# Altium PCB Backend.PcbDoc (part 3 of 3)
Units mm, origin at the board's own origin, x right, y up, seen from the top; angles counter-clockwise.
Board outline 100 x 80 mm, 6 copper layers (Top Layer [SIG], Mid Layer 1 [GND], Mid Layer 2 [SIG], Mid Layer 3 [PWR], Mid Layer 4 [GND], Bottom Layer [SIG]), stack 1.597 mm thick; 244 components, 196 nets, 1054 pads, 765 vias.
Unrouted connection lines stored in the file: 1.
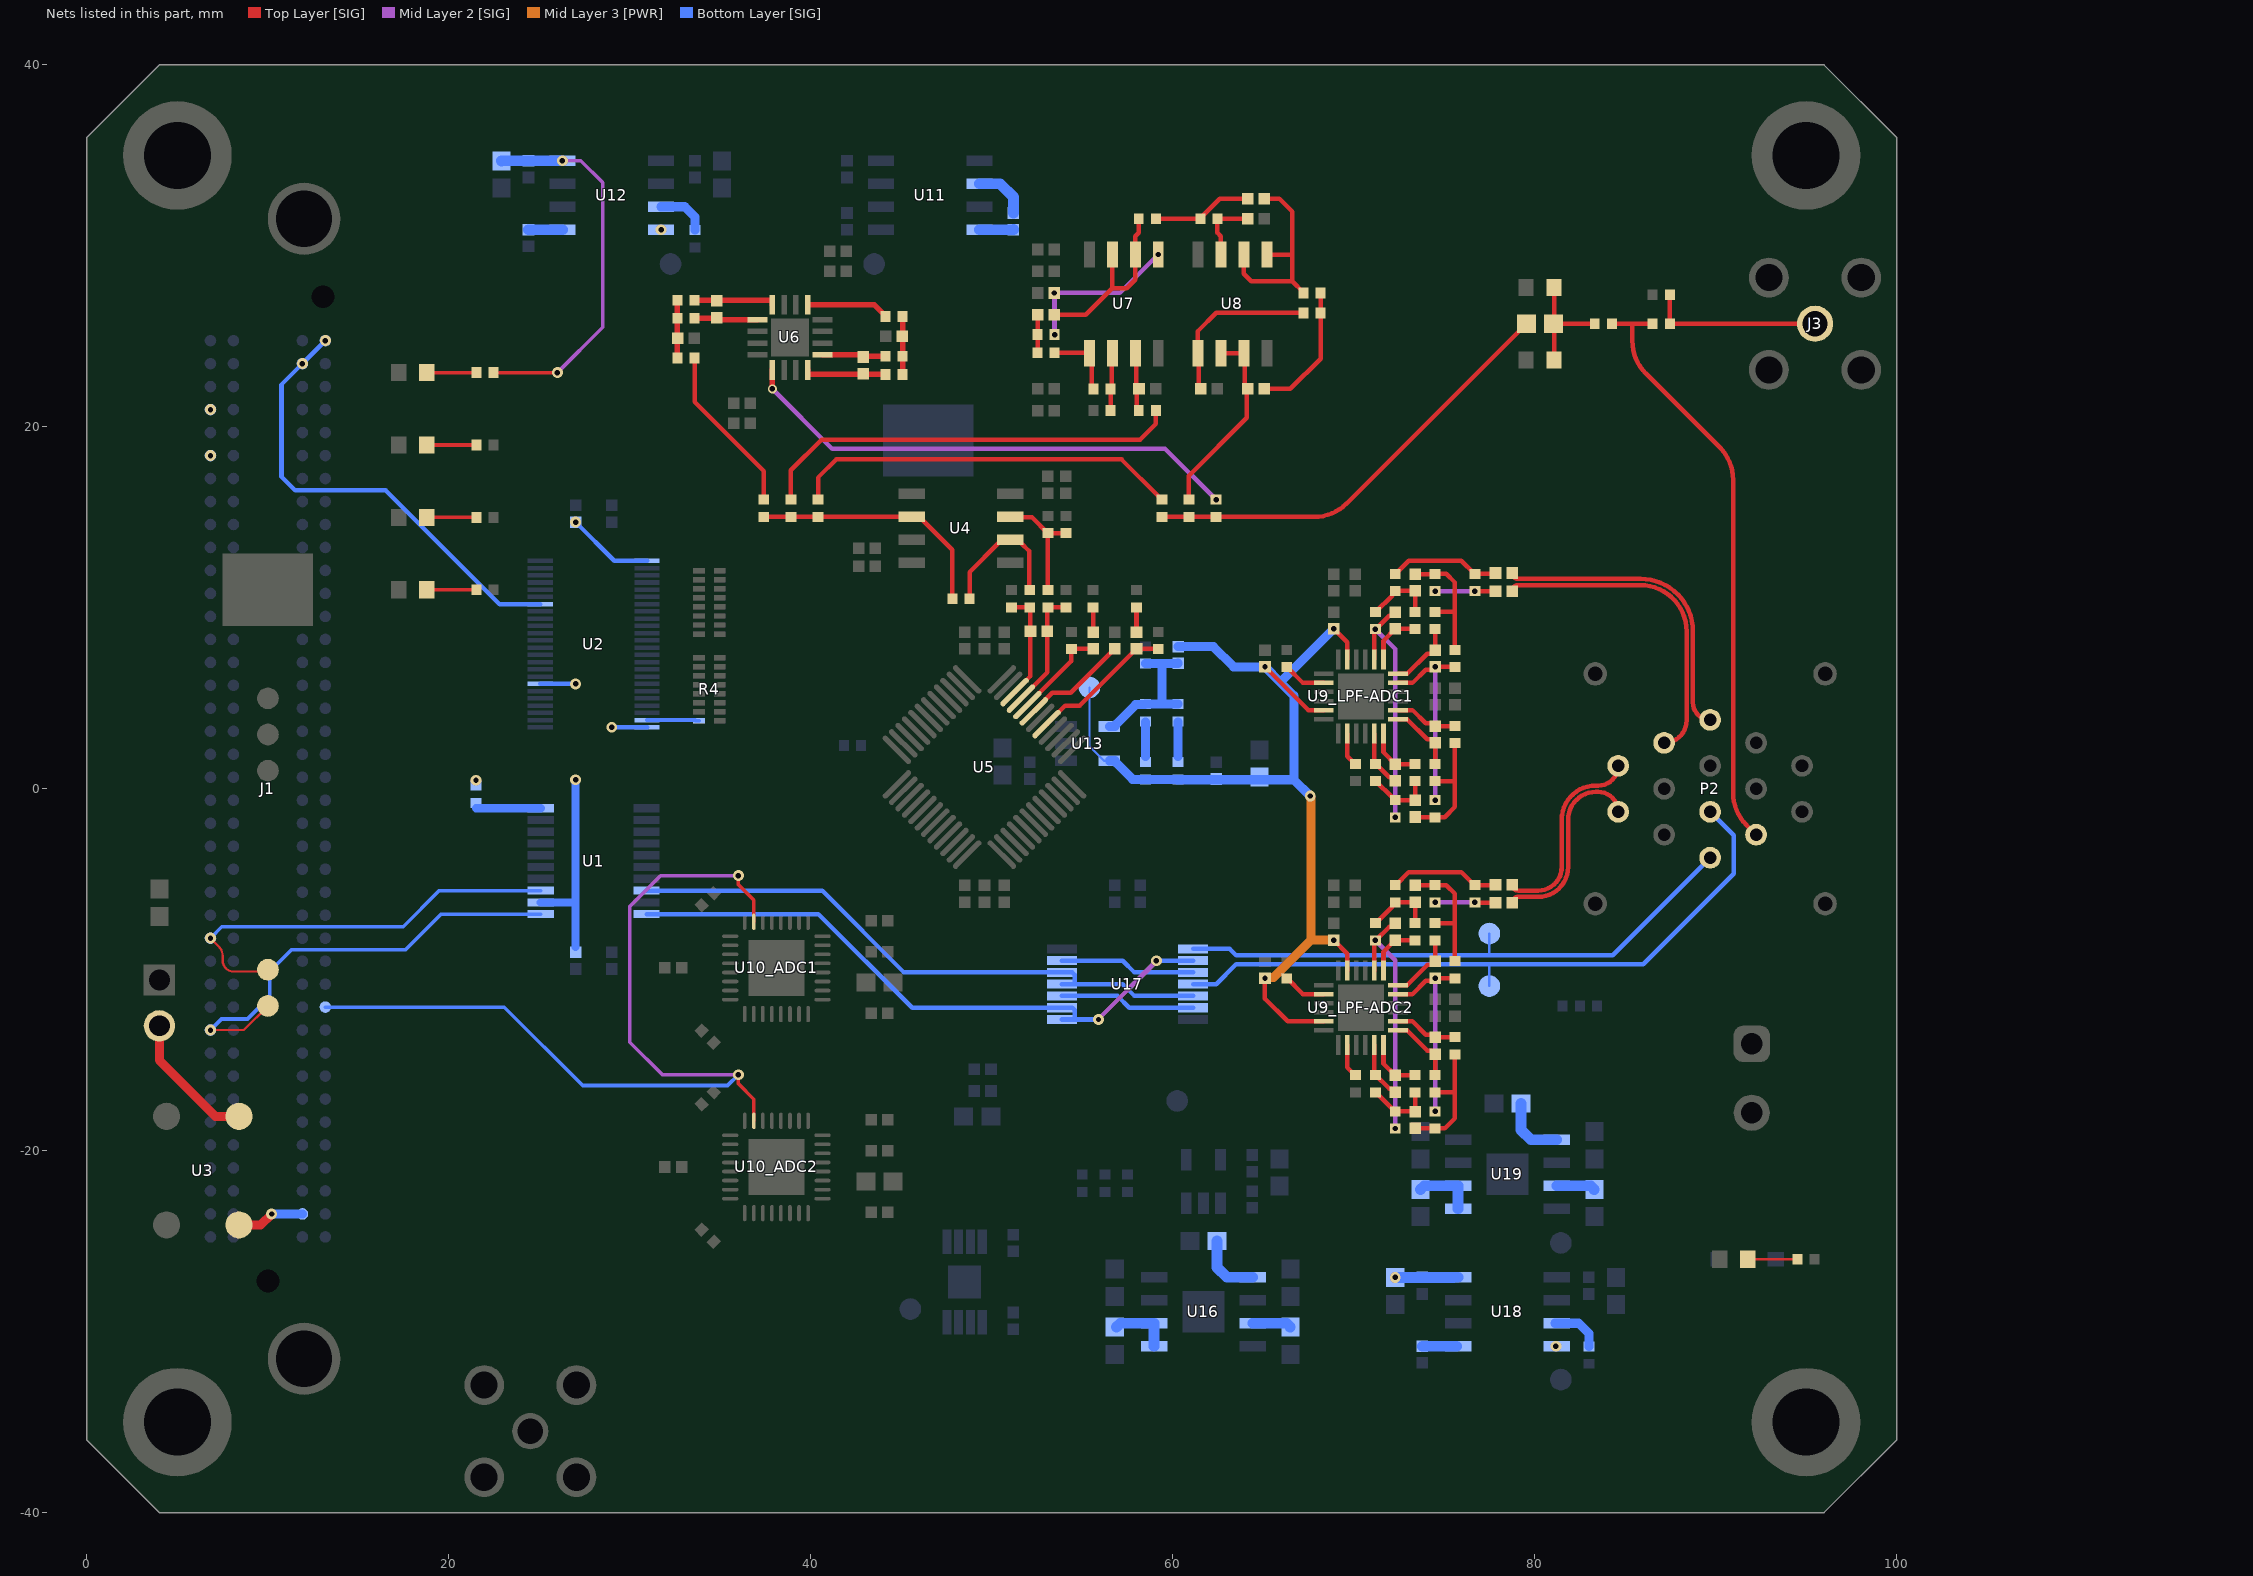
[diagram p7: the nets of this part, all layers, seen from the top]

## Via types
v1: diameter 0.6, hole 0.3, Top Layer [SIG] to Bottom Layer [SIG], tented both sides, 468 vias
v2: diameter 0.5, hole 0.3, Top Layer [SIG] to Bottom Layer [SIG], tented both sides, 179 vias
v3: diameter 0.45, hole 0.3, Top Layer [SIG] to Bottom Layer [SIG], tented both sides, 44 vias
v4: diameter 0.8, hole 0.4, Top Layer [SIG] to Bottom Layer [SIG], tented both sides, 32 vias
v5: diameter 0.6, hole 0.3, Top Layer [SIG] to Bottom Layer [SIG], tented bottom, 30 vias
v6: diameter 0.6, hole 0.3, Top Layer [SIG] to Bottom Layer [SIG], tented top, 12 vias

## Nets (pads, with @x,y where several pads share a name; then routed paths per layer and width w, separated by ;. In a path a pad name is that pad's centre, name@x,y a point inside that pad or via, vN(x,y) a via of type N, cw(c..) or ccw(c..) an arc to the next point about the centre after c; other vN are vias at no path point) (continued)
EN3: J1.H11 U10_ADC1.7 U10_ADC2.7 | length 51.6
  Top Layer [SIG] w0.2: v1(36,-15.8) 36,-16.3 36.85,-17.15 U10_ADC2.7@36.85,-18.35 ; v1(36,-4.8) 36,-5.3 36.85,-6.15 U10_ADC1.7@36.85,-7.35
  Mid Layer 2 [SIG] w0.2: v1(36,-15.8) 31.8,-15.8 30,-14 30,-6.5 31.7,-4.8 v1(36,-4.8)
  Bottom Layer [SIG] w0.2: J1.H11@13.175,-12.065 23.065,-12.065 27.4,-16.4 35.4,-16.4 v1(36,-15.8)
FMC12V: C64.1 C65.1 C87.1 C88.1 J1.C35 J1.C37 R70.2 U12.4 U12.8 U18.4 U18.8 | length 24.3
  Top Layer [SIG] w0.2: 22.775,23 v1(26,23)
  Mid Layer 2 [SIG] w0.2: v1(26,23) 28.5,25.5 28.5,33.5 27.295,34.705 v1(26.275,34.705)
  Bottom Layer [SIG] w0.6: C64.1@22.9,34.7 22.905,34.705 v1(26.275,34.705) ; v1(72.3,-27) C88.1@73.795,-27 ; C88.1@73.8,-27 75.517,-27 75.517,-26.995 U18.4@75.775,-26.995
  other v1: 81.175,-30.805 6.825,18.415 6.825,20.955 31.725,30.895
FMC_VADJ: C1.1 C3.1 J1.G39 J1.H40 R1.2 U1.2 U2.1 U2.24 U2.31 U2.42 | length 45.7
  Bottom Layer [SIG] w0.25: v1(13.175,24.765) 10.75,22.34 10.75,17.25 11.5,16.5 16.5,16.5 22.8,10.2 U2.42@25.05,10.2 ; U2.31@25.05,5.8 v1(27,5.8) ; v1(27,14.74) 29.14,12.6 U2.1@30.95,12.6 ; v1(29,3.4) U2.24@30.95,3.4
  Bottom Layer [SIG] w0.45: U1.2@25.075,-6.275 27,-6.275 ; C1.1@27,-8.75 27,-6.275 ; v1(27,0.5) 27,-6.275
  other v1: 21.5,0.475 11.905,23.495
FREF: P2.4 R38.1 R39.1 | length 32.4
  Top Layer [SIG] w0.25: 84.575,25.7 85.4,25.7 ; 86.225,25.7 85.4,25.7 ; P2.4@92.24,-2.54 91.713,-2.013 cw(c93.509,-0.216) 90.969,-0.216 90.969,17.079 ccw(c88.429,17.079) 90.225,18.875 86.144,22.956 cw(c87.94,24.752) 85.4,24.752 85.4,25.7
fref_in: C39.2 R18.1 R20.1 R22.2 | length 24.5
  Top Layer [SIG] w0.25: R20.1@59.4,15.025 R18.1@60.9,15.025 R22.2@62.4,15.025 67.823,15.025 ccw(c67.823,17.565) 69.619,15.769 C39.2@79.55,25.7
fref_out: C39.1 R38.2 R41.1 R42.2 | length 5.9
  Top Layer [SIG] w0.25: R42.2@81.075,23.7 R41.1@81.075,27.7 ; C39.1@81.1,25.7 83.025,25.7
I_N: C40_LPF-ADC2.1 P2.10 | length 11.1
  Top Layer [SIG] w0.25: C40_LPF-ADC2.1@78.76,-5.3 ccw(c79.084,-5.3) 79.084,-5.624 80.2,-5.624 ccw(c80.2,-4.324) 81.5,-4.324 81.5,-1.7 cw(c83.377,-1.7) 83.377,0.177 83.527,0.177 ccw(c83.527,1.27) P2.10@84.62,1.27
I_P: C45_LPF-ADC2.1 P2.1 | length 11.1
  Top Layer [SIG] w0.25: C45_LPF-ADC2.1@78.76,-6.3 cw(c79.084,-6.3) 79.084,-5.976 80.2,-5.976 ccw(c80.2,-4.324) 81.852,-4.324 81.852,-1.7 cw(c83.377,-1.7) 83.377,-0.175 83.525,-0.175 cw(c83.525,-1.27) P2.1@84.62,-1.27
NetC6_1: C6.1 R5.2 R8.2 U5.46 | length 6.1
  Top Layer [SIG] w0.25: R8.2@51.1,10.025 R5.2@52.1,10.025 52.12,10.005 52.12,8.72 C6.1@52.14,8.7 52.14,6.228 51.262,5.35 U5.46@51.262,5.337
NetC6_2: C6.2 R6.2 R7.2 U5.45 | length 6.7
  Top Layer [SIG] w0.25: U5.45@51.615,4.983 53.06,6.428 C6.2@53.06,8.7 53.08,8.72 53.08,10.005 R6.2@53.1,10.025 R7.2@54.1,10.025
NetC11_1: C11.1 R13.2 U5.41 | length 7.9
  Top Layer [SIG] w0.25: U5.41@53.029,3.569 54.061,4.6 54.86,4.6 C11.1@58,7.74 58.008,7.732 59.192,7.732 R13.2@59.2,7.725
NetC11_2: C11.2 R14.2 | length 1.4
  Top Layer [SIG] w0.25: C11.2@58,8.66 R14.2@58,10.025
NetC12_1: C12.1 R15.2 U5.44 | length 5.5
  Top Layer [SIG] w0.25: U5.44@51.969,4.629 54.4,7.061 R15.2@54.4,7.575 ; R15.2@54.4,7.725 R15.2@54.4,7.575 ; C12.1@55.6,7.74 54.575,7.74 54.575,7.575 R15.2@54.4,7.575
NetC12_2: C12.2 R16.2 | length 1.4
  Top Layer [SIG] w0.25: C12.2@55.6,8.66 R16.2@55.6,10.025
NetC13_1: C13.1 U5.43 | length 5.9
  Top Layer [SIG] w0.25: U5.43@52.322,4.276 53.346,5.3 54.36,5.3 C13.1@56.8,7.74
NetC20_1: C20.1 R23.2 U6.16 | length 4.8
  Top Layer [SIG] w0.3: R23.2@33.575,27 34.8,27 37.85,27 37.875,26.975 U6.16@37.875,26.925 ; U6.16@37.875,26.925 37.85,26.95 U6.16@37.875,26.925 ; U6.16@37.875,26.925 U6.16@37.875,26.75 U6.16@37.875,26.925
NetC20_2: C20.2 R26.2 U6.1 | length 3.5
  Top Layer [SIG] w0.3: R26.2@33.575,26 34.76,26 C20.2@34.8,26.04 34.915,25.925 U6.1@37.05,25.925
NetC21_1: C21.1 R24.2 U6.8 | length 4.6
  Top Layer [SIG] w0.3: U6.8@39.825,23.15 U6.8@39.825,22.975 ; U6.8@39.85,22.95 U6.8@39.825,22.975 ; R24.2@44.125,22.9 39.85,22.9 39.825,22.925 U6.8@39.825,22.975
NetC21_2: C21.2 R28.2 U6.9 | length 3.5
  Top Layer [SIG] w0.3: U6.9@40.65,23.975 42.785,23.975 C21.2@42.9,23.86 42.94,23.9 R28.2@44.125,23.9
NetC22_1: C22.1 R23.1 R25.2 R26.1 | length 3.2
  Top Layer [SIG] w0.3: R25.2@32.625,23.8 R26.1@32.625,26 R23.1@32.625,27
NetC23_1: C23.1 R24.1 R27.2 R28.1 | length 3.2
  Top Layer [SIG] w0.3: R24.1@45.075,22.9 R28.1@45.075,23.9 R27.2@45.075,26.1
NetC28_1: C28.1 R30.2 R31.1 | length 2.1
  Top Layer [SIG] w0.25: R30.2@52.525,24.1 52.533,24.108 52.533,26.193 C28.1@52.54,26.2
NetC28_2: C28.2 R32.1 U7.6 U7.7 | length 10.6
  Top Layer [SIG] w0.25: C28.2@53.46,26.2 55.2,26.2 56.665,27.665 ; U7.7@56.665,29.525 56.665,27.665 ; R32.1@58.125,31.5 58.125,30.733 57.935,30.543 57.935,28.135 57.465,27.665 56.665,27.665
NetC29_1: C29.1 R32.2 R33.1 | length 5.5
  Top Layer [SIG] w0.25: R32.2@59.075,31.5 R33.1@61.525,31.5 61.525,31.525 62.6,32.6 C29.1@64.14,32.6
NetC29_2: C29.2 R34.1 U8.1 U8.2 | length 12
  Top Layer [SIG] w0.25: U8.2@63.935,29.525 63.935,28.465 64.35,28.05 66.6,28.05 ; C29.2@65.133,32.528 C29.2@65.06,32.6 65.9,32.6 66.6,31.9 66.6,29.52 ; U8.1@65.205,29.525 65.21,29.52 66.6,29.52 ; R34.1@67.225,27.4 67.225,27.425 66.6,28.05 ; 66.6,28.05 66.6,29.52
NetC30_1: C30.1 R34.2 R35.1 | length 7.4
  Top Layer [SIG] w0.25: C30.1@65.06,22.1 66.502,22.1 68.175,23.773 R34.2@68.175,27.4
NetC30_2: C30.2 R18.2 U8.6 U8.7 | length 10.8
  Top Layer [SIG] w0.25: R18.2@60.9,15.975 60.9,17.3 64.1,20.5 C30.2@64.1,22.1 ; U8.6@62.665,24.075 U8.7@63.935,24.075 63.98,24.03 63.98,22.26 C30.2@64.14,22.1
NetC31_1: C31.1 R29.2 U7.3 | length 3.1
  Top Layer [SIG] w0.25: C31.1@57.98,22.145 U7.3@57.98,24.03 ; R29.2@58.025,20.9 C31.1@58.025,22.1
NetC32_1: C32.1 R31.2 U7.5 | length 11.2
  Mid Layer 2 [SIG] w0.25: v1(53.46,27.4) 53.468,27.393 53.468,25.108 v2(53.475,25.1) 53.475,27.4 57.08,27.4 v1(59.205,29.525)
NetC33_1: C33.1 R33.2 U8.3 | length 3.7
  Top Layer [SIG] w0.25: U8.3@62.665,29.525 62.665,30.543 62.475,30.733 R33.2@62.475,31.5 C33.1@64.14,31.5
NetC34_1: C34.1 R35.2 U8.5 | length 9.4
  Top Layer [SIG] w0.25: U8.5@61.395,24.075 61.395,25.295 62.4,26.3 R35.2@67.225,26.3 ; C34.1@61.44,22.145 U8.5@61.44,24.03
NetC40_LPF-ADC1_2: C40_LPF-ADC1.2 R47_LPF-ADC1.1 R51_LPF-ADC1.2 | length 6.2
  Top Layer [SIG] w0.25: R47_LPF-ADC1.1@72.3,11.875 72.325,11.875 73.05,12.6 75.95,12.6 76.675,11.875 R51_LPF-ADC1.2@76.7,11.875 ; R51_LPF-ADC1.2@76.707,11.867 R51_LPF-ADC1.2@76.7,11.875 ; C40_LPF-ADC1.2@77.84,11.925 cw(c77.719,12.046) 77.719,11.875 R51_LPF-ADC1.2@76.7,11.875 ; C40_LPF-ADC1.2@77.892,11.967 C40_LPF-ADC1.2@77.9,11.96
NetC40_LPF-ADC2_2: C40_LPF-ADC2.2 R47_LPF-ADC2.1 R51_LPF-ADC2.2 | length 6.1
  Top Layer [SIG] w0.25: R47_LPF-ADC2.1@72.3,-5.325 72.325,-5.325 73.05,-4.6 75.95,-4.6 76.675,-5.325 R51_LPF-ADC2.2@76.7,-5.325 76.708,-5.333 77.793,-5.333 C40_LPF-ADC2.2@77.8,-5.34
NetC41_LPF-ADC1_1: C41_LPF-ADC1.1 R45_LPF-ADC1.2 R54_LPF-ADC1.1 U9_LPF-ADC1.8 | length 14
  Top Layer [SIG] w0.25: U9_LPF-ADC1.8@71.15,7.15 71.15,8.775 v2(71.2,8.825) 71.225,8.825 71.965,9.565 72.105,9.565 C41_LPF-ADC1.1@72.3,9.76
  Mid Layer 2 [SIG] w0.25: v2(71.2,8.825) 72.3,7.725 v2(72.3,-1.575)
NetC41_LPF-ADC1_2: C41_LPF-ADC1.2 R48_LPF-ADC1.2 U9_LPF-ADC1.7 | length 3.1
  Top Layer [SIG] w0.25: U9_LPF-ADC1.7@71.65,7.15 71.65,8.19 C41_LPF-ADC1.2@72.3,8.84 72.307,8.832 73.392,8.832 R48_LPF-ADC1.2@73.4,8.825
NetC41_LPF-ADC2_1: C41_LPF-ADC2.1 R45_LPF-ADC2.2 R54_LPF-ADC2.1 U9_LPF-ADC2.8 | length 14
  Top Layer [SIG] w0.25: U9_LPF-ADC2.8@71.15,-10.05 71.15,-8.425 v2(71.2,-8.375) 71.225,-8.375 71.965,-7.635 72.105,-7.635 C41_LPF-ADC2.1@72.3,-7.44
  Mid Layer 2 [SIG] w0.25: v2(71.2,-8.375) 72.3,-9.475 v2(72.3,-18.775)
NetC41_LPF-ADC2_2: C41_LPF-ADC2.2 R48_LPF-ADC2.2 U9_LPF-ADC2.7 | length 3.1
  Top Layer [SIG] w0.25: U9_LPF-ADC2.7@71.65,-10.05 71.65,-9.01 C41_LPF-ADC2.2@72.3,-8.36 72.308,-8.368 73.393,-8.368 R48_LPF-ADC2.2@73.4,-8.375
NetC42_LPF-ADC1_1: C42_LPF-ADC1.1 R46_LPF-ADC1.2 U9_LPF-ADC1.2 | length 3.5
  Top Layer [SIG] w0.25: U9_LPF-ADC1.2@72.45,4.35 73.25,4.35 73.985,3.615 74.345,3.615 C42_LPF-ADC1.1@74.5,3.46 74.507,3.467 75.592,3.467 R46_LPF-ADC1.2@75.6,3.475
NetC42_LPF-ADC1_2: C42_LPF-ADC1.2 R50_LPF-ADC1.2 U9_LPF-ADC1.1 | length 3.8
  Top Layer [SIG] w0.25: U9_LPF-ADC1.1@72.45,3.85 72.95,3.85 74.065,2.735 74.305,2.735 C42_LPF-ADC1.2@74.5,2.54 R50_LPF-ADC1.2@74.5,1.375
NetC42_LPF-ADC2_1: C42_LPF-ADC2.1 R46_LPF-ADC2.2 U9_LPF-ADC2.2 | length 3.5
  Top Layer [SIG] w0.25: U9_LPF-ADC2.2@72.45,-12.85 73.25,-12.85 73.985,-13.585 74.345,-13.585 C42_LPF-ADC2.1@74.5,-13.74 74.508,-13.733 75.593,-13.733 R46_LPF-ADC2.2@75.6,-13.725
NetC42_LPF-ADC2_2: C42_LPF-ADC2.2 R50_LPF-ADC2.2 U9_LPF-ADC2.1 | length 3.8
  Top Layer [SIG] w0.25: U9_LPF-ADC2.1@72.45,-13.35 72.95,-13.35 74.065,-14.465 74.305,-14.465 C42_LPF-ADC2.2@74.5,-14.66 R50_LPF-ADC2.2@74.5,-15.825
NetC43_LPF-ADC1_1: C43_LPF-ADC1.1 R45_LPF-ADC1.1 R47_LPF-ADC1.2 R48_LPF-ADC1.1 | length 3.9
  Top Layer [SIG] w0.25: R45_LPF-ADC1.1@71.2,9.775 71.225,9.775 72.125,10.675 72.125,10.775 72.275,10.925 R47_LPF-ADC1.2@72.3,10.925 72.307,10.933 73.392,10.933 C43_LPF-ADC1.1@73.4,10.94 R48_LPF-ADC1.1@73.4,9.775
NetC43_LPF-ADC1_2: C43_LPF-ADC1.2 R52_LPF-ADC1.2 R53_LPF-ADC1.1 R56_LPF-ADC1.1 | length 7.2
  Top Layer [SIG] w0.25: C43_LPF-ADC1.2@73.4,11.86 73.407,11.867 74.492,11.867 R52_LPF-ADC1.2@74.5,11.875 75.125,11.875 75.6,11.4 75.6,9.8 ; R53_LPF-ADC1.1@74.5,9.775 75.575,9.775 75.6,9.8 ; R56_LPF-ADC1.1@75.6,7.675 75.6,9.8
NetC43_LPF-ADC2_1: C43_LPF-ADC2.1 R45_LPF-ADC2.1 R47_LPF-ADC2.2 R48_LPF-ADC2.1 | length 3.9
  Top Layer [SIG] w0.25: R45_LPF-ADC2.1@71.2,-7.425 71.225,-7.425 72.125,-6.525 72.125,-6.425 72.275,-6.275 R47_LPF-ADC2.2@72.3,-6.275 72.308,-6.268 73.392,-6.268 C43_LPF-ADC2.1@73.4,-6.26 R48_LPF-ADC2.1@73.4,-7.425
NetC43_LPF-ADC2_2: C43_LPF-ADC2.2 R52_LPF-ADC2.2 R53_LPF-ADC2.1 R56_LPF-ADC2.1 | length 7.2
  Top Layer [SIG] w0.25: C43_LPF-ADC2.2@73.4,-5.34 73.407,-5.333 74.493,-5.333 R52_LPF-ADC2.2@74.5,-5.325 75.125,-5.325 75.6,-5.8 75.6,-7.4 ; R53_LPF-ADC2.1@74.5,-7.425 75.575,-7.425 75.6,-7.4 ; R56_LPF-ADC2.1@75.6,-9.525 75.6,-7.4
NetC44_LPF-ADC1_1: C44_LPF-ADC1.1 R46_LPF-ADC1.1 R49_LPF-ADC1.2 R50_LPF-ADC1.1 | length 7.1
  Top Layer [SIG] w0.25: C44_LPF-ADC1.1@73.4,-1.56 73.407,-1.568 74.492,-1.568 R49_LPF-ADC1.2@74.5,-1.575 74.504,-1.571 75.029,-1.571 75.6,-1 75.6,0.4 ; R50_LPF-ADC1.1@74.5,0.425 75.575,0.425 75.6,0.4 ; R46_LPF-ADC1.1@75.6,2.525 75.6,0.4
NetC44_LPF-ADC1_2: C44_LPF-ADC1.2 R54_LPF-ADC1.2 R55_LPF-ADC1.1 R57_LPF-ADC1.1 | length 3.7
  Top Layer [SIG] w0.25: R57_LPF-ADC1.1@71.2,0.425 71.225,0.425 72.125,-0.475 72.15,-0.475 R54_LPF-ADC1.2@72.3,-0.625 72.307,-0.633 73.392,-0.633 C44_LPF-ADC1.2@73.4,-0.64 R55_LPF-ADC1.1@73.4,0.425
NetC44_LPF-ADC2_1: C44_LPF-ADC2.1 R46_LPF-ADC2.1 R49_LPF-ADC2.2 R50_LPF-ADC2.1 | length 7.1
  Top Layer [SIG] w0.25: C44_LPF-ADC2.1@73.4,-18.76 73.408,-18.768 74.493,-18.768 R49_LPF-ADC2.2@74.5,-18.775 74.504,-18.771 75.029,-18.771 75.6,-18.2 75.6,-16.8 ; R50_LPF-ADC2.1@74.5,-16.775 75.575,-16.775 75.6,-16.8 ; R46_LPF-ADC2.1@75.6,-14.675 75.6,-16.8
NetC44_LPF-ADC2_2: C44_LPF-ADC2.2 R54_LPF-ADC2.2 R55_LPF-ADC2.1 R57_LPF-ADC2.1 | length 3.7
  Top Layer [SIG] w0.25: R57_LPF-ADC2.1@71.2,-16.775 71.225,-16.775 72.125,-17.675 72.15,-17.675 R54_LPF-ADC2.2@72.3,-17.825 72.308,-17.833 73.393,-17.833 C44_LPF-ADC2.2@73.4,-17.84 R55_LPF-ADC2.1@73.4,-16.775
NetC45_LPF-ADC1_2: C45_LPF-ADC1.2 R51_LPF-ADC1.1 R52_LPF-ADC1.1 | length 3.3
  Top Layer [SIG] w0.25: v2(76.7,10.925) C45_LPF-ADC1.2@77.84,10.925
  Mid Layer 2 [SIG] w0.25: v2(74.5,10.925) v2(76.7,10.925)
NetC45_LPF-ADC2_2: C45_LPF-ADC2.2 R51_LPF-ADC2.1 R52_LPF-ADC2.1 | length 3.4
  Top Layer [SIG] w0.25: v2(76.7,-6.275) 76.713,-6.288 77.827,-6.288 C45_LPF-ADC2.2@77.84,-6.3
  Mid Layer 2 [SIG] w0.25: v2(74.5,-6.275) v2(76.7,-6.275)
NetC46_LPF-ADC1_1: C46_LPF-ADC1.1 R49_LPF-ADC1.1 R56_LPF-ADC1.2 U9_LPF-ADC1.5 | length 10.9
  Top Layer [SIG] w0.25: U9_LPF-ADC1.5@72.45,5.85 73.25,5.85 73.985,6.585 74.345,6.585 C46_LPF-ADC1.1@74.5,6.74 74.507,6.733 75.592,6.733 R56_LPF-ADC1.2@75.6,6.725
  Mid Layer 2 [SIG] w0.25: v2(74.5,-0.625) 74.502,-0.623 74.502,6.734 v1(74.504,6.736)
NetC46_LPF-ADC1_2: C46_LPF-ADC1.2 R53_LPF-ADC1.2 U9_LPF-ADC1.6 | length 3.8
  Top Layer [SIG] w0.25: U9_LPF-ADC1.6@72.45,6.35 72.95,6.35 74.065,7.465 74.305,7.465 C46_LPF-ADC1.2@74.5,7.66 R53_LPF-ADC1.2@74.5,8.825
NetC46_LPF-ADC2_1: C46_LPF-ADC2.1 R49_LPF-ADC2.1 R56_LPF-ADC2.2 U9_LPF-ADC2.5 | length 10.9
  Top Layer [SIG] w0.25: U9_LPF-ADC2.5@72.45,-11.35 73.25,-11.35 73.985,-10.615 74.345,-10.615 C46_LPF-ADC2.1@74.5,-10.46 74.508,-10.468 75.593,-10.468 R56_LPF-ADC2.2@75.6,-10.475
  Mid Layer 2 [SIG] w0.25: v2(74.5,-17.825) 74.502,-17.823 74.502,-10.466 v1(74.504,-10.464)
NetC46_LPF-ADC2_2: C46_LPF-ADC2.2 R53_LPF-ADC2.2 U9_LPF-ADC2.6 | length 3.8
  Top Layer [SIG] w0.25: U9_LPF-ADC2.6@72.45,-10.85 72.95,-10.85 74.065,-9.735 74.305,-9.735 C46_LPF-ADC2.2@74.5,-9.54 R53_LPF-ADC2.2@74.5,-8.375
NetC47_LPF-ADC1_1: C47_LPF-ADC1.1 R57_LPF-ADC1.2 U9_LPF-ADC1.23 | length 3.2
  Top Layer [SIG] w0.25: U9_LPF-ADC1.23@71.15,3.05 71.15,1.425 R57_LPF-ADC1.2@71.2,1.375 71.225,1.375 71.965,0.635 72.105,0.635 C47_LPF-ADC1.1@72.3,0.44
NetC47_LPF-ADC1_2: C47_LPF-ADC1.2 R55_LPF-ADC1.2 U9_LPF-ADC1.24 | length 3.1
  Top Layer [SIG] w0.25: U9_LPF-ADC1.24@71.65,3.05 71.65,2.01 C47_LPF-ADC1.2@72.3,1.36 72.307,1.368 73.392,1.368 R55_LPF-ADC1.2@73.4,1.375
NetC47_LPF-ADC2_1: C47_LPF-ADC2.1 R57_LPF-ADC2.2 U9_LPF-ADC2.23 | length 3.2
  Top Layer [SIG] w0.25: U9_LPF-ADC2.23@71.15,-14.15 71.15,-15.775 R57_LPF-ADC2.2@71.2,-15.825 71.225,-15.825 71.965,-16.565 72.105,-16.565 C47_LPF-ADC2.1@72.3,-16.76
NetC47_LPF-ADC2_2: C47_LPF-ADC2.2 R55_LPF-ADC2.2 U9_LPF-ADC2.24 | length 3.1
  Top Layer [SIG] w0.25: U9_LPF-ADC2.24@71.65,-14.15 71.65,-15.19 C47_LPF-ADC2.2@72.3,-15.84 72.307,-15.833 73.392,-15.833 R55_LPF-ADC2.2@73.4,-15.825
NetC60_1: C60.1 U11.2 | length 3.1
  Bottom Layer [SIG] w0.6: U11.2@49.325,33.435 50.465,33.435 51.2,32.7 C60.1@51.2,31.82
NetC60_2: C60.2 U11.4 | length 1.9
  Bottom Layer [SIG] w0.6: U11.4@49.325,30.895 51.195,30.895 C60.2@51.2,30.9
NetC68_1: C68.1 U12.1 | length 1.9
  Bottom Layer [SIG] w0.6: C68.1@24.405,30.895 U12.1@26.275,30.895
NetC69_2: C69.2 R64.1 R65.2 R66.2 U13.4 | length 8.4
  Bottom Layer [SIG] w0.5: U13.4@56.5,3.45 56.8,3.45 56.85,3.5 56.85,3.545 57.955,4.65 58.475,4.65 R64.1@58.5,4.675 ; R66.2@58.5,6.925 58.507,6.932 59.4,6.932 ; R64.1@58.512,4.687 59.387,4.687 59.4,4.7 ; R65.2@60.3,4.675 60.288,4.687 59.413,4.687 59.4,4.7 ; C69.2@60.3,6.94 60.292,6.932 59.4,6.932 ; 59.4,4.7 59.4,6.932
NetC81_1: C81.1 U16.3 | length 2.2
  Bottom Layer [SIG] w0.6: U16.3@64.425,-29.535 66.3,-29.535 66.5,-29.735 C81.1@66.5,-29.75 C81.1@66.485,-29.735
NetC82_1: C82.1 U16.1 | length 3.7
  Bottom Layer [SIG] w0.6: C82.1@62.45,-25 62.45,-26.45 62.995,-26.995 U16.1@64.425,-26.995
NetC83_1: C83.1 U16.5 U16.6 | length 3.4
  Bottom Layer [SIG] w0.6: C83.1@56.9,-29.75 56.9,-29.735 57.1,-29.535 U16.6@58.975,-29.535 U16.5@58.975,-30.805
NetC91_1: C91.1 U18.1 | length 1.9
  Bottom Layer [SIG] w0.6: C91.1@73.805,-30.805 U18.1@75.675,-30.805
NetC93_1: C93.1 U19.3 | length 2.2
  Bottom Layer [SIG] w0.6: U19.3@81.225,-21.935 83.1,-21.935 83.3,-22.135 C93.1@83.3,-22.15 C93.1@83.285,-22.135
NetC94_1: C94.1 U19.1 | length 3.7
  Bottom Layer [SIG] w0.6: C94.1@79.25,-17.4 79.25,-18.85 79.795,-19.395 U19.1@81.225,-19.395
NetC95_1: C95.1 U19.5 U19.6 | length 3.4
  Bottom Layer [SIG] w0.6: C95.1@73.7,-22.135 73.9,-21.935 U19.6@75.775,-21.935 U19.5@75.775,-23.205
NetJ1_G2: J1.G2 U3.3 | length 3.8
  Top Layer [SIG] w0.5: U3.3@8.4,-24.1 9.6,-24.1 v1(10.2,-23.5)
  Bottom Layer [SIG] w0.5: v1(10.2,-23.5) 10.203,-23.497 11.902,-23.497 J1.G2@11.905,-23.495
NetJ3_1: J3.1 R39.2 R40.2 | length 9.6
  Top Layer [SIG] w0.25: R39.2@87.475,25.7 R40.2@87.475,27.3 ; R39.2@87.5,25.7 J3.1@95.5,25.7
NetLED1_1: LED1.1 R70.1 | length 2.5
  Top Layer [SIG] w0.2: LED1.1@18.775,23 21.225,23
NetLED2_1: LED2.1 R71.1 | length 2.5
  Top Layer [SIG] w0.2: LED2.1@18.775,19 21.225,19
NetLED3_1: LED3.1 R72.1 | length 2.5
  Top Layer [SIG] w0.2: LED3.1@18.775,15 21.225,15
NetLED4_1: LED4.1 R73.1 | length 2.5
  Top Layer [SIG] w0.2: LED4.1@18.775,11 21.225,11
NetLED5_1: LED5.1 R74.1 | length 2.7